# Altium PCB 400150.PcbDoc (part 4 of 4)
Units mm, origin at the board's own origin, x right, y up, seen from the top; angles counter-clockwise.
Board outline 101.6 x 63.5 mm, 4 copper layers (Top Layer, Mid-Layer 1, Mid-Layer 2, Bottom Layer), stack 1.49 mm thick; 241 components, 183 nets, 1094 pads, 1048 vias.
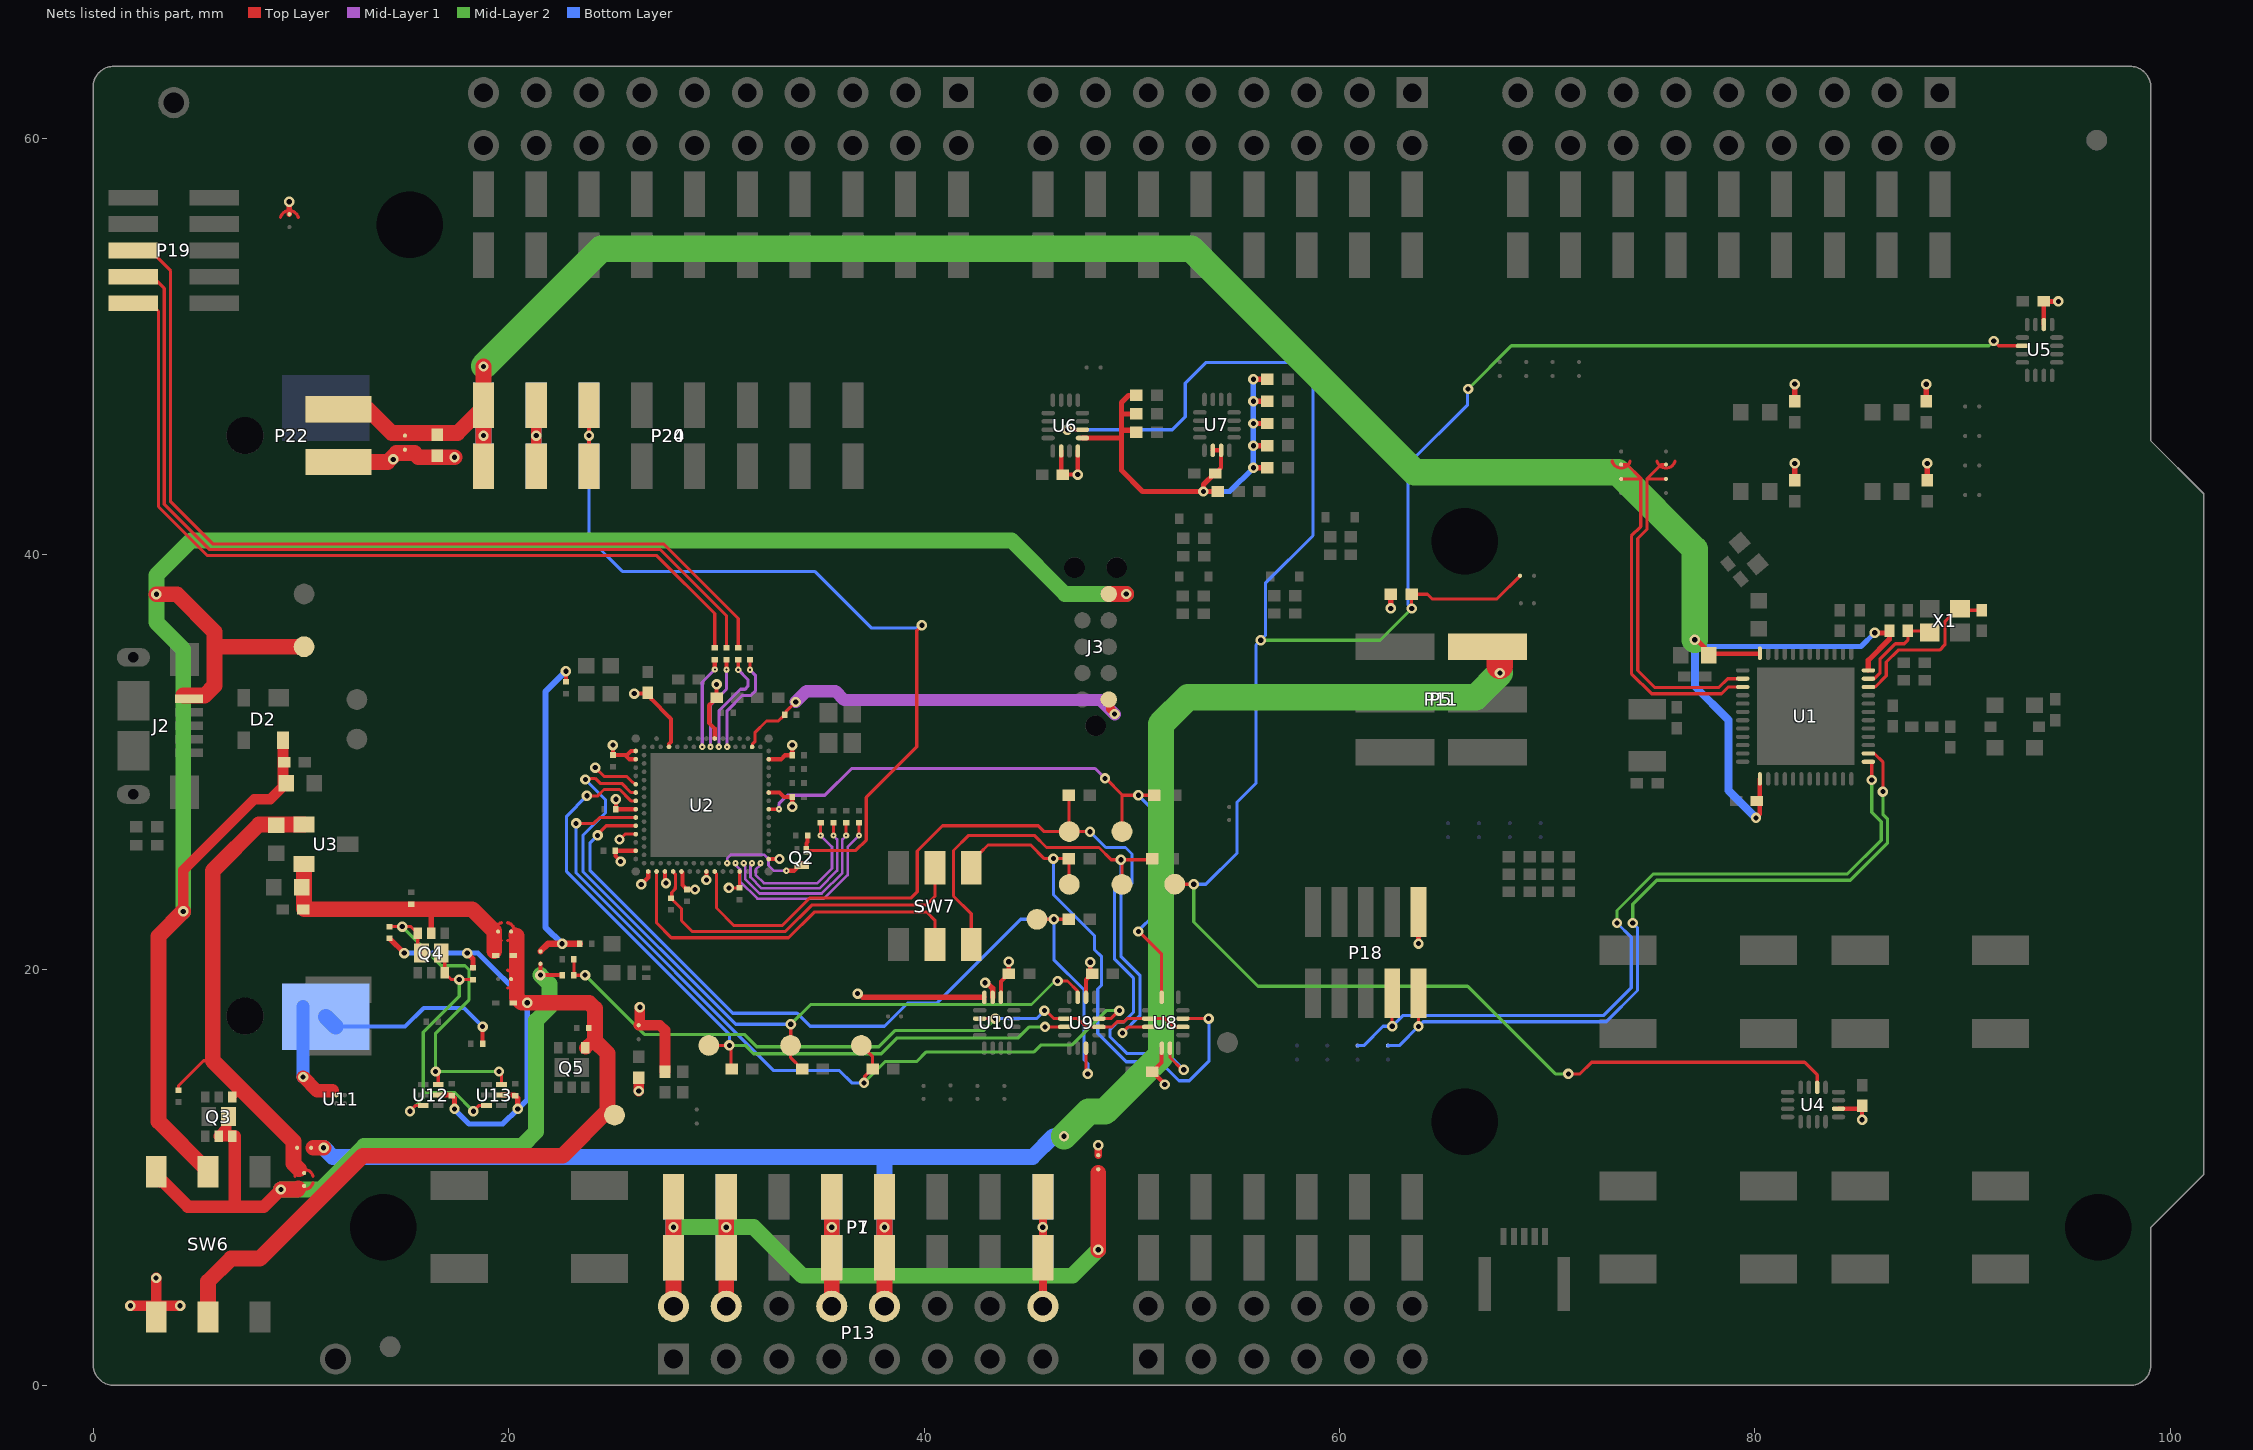
[diagram p6: the nets of this part, all layers, seen from the top]

## Via types
v1: diameter 0.5, hole 0.25, Top Layer to Bottom Layer, tented both sides, 864 vias
v2: diameter 0.3, hole 0.1, Top Layer to Mid-Layer 1, tented both sides, 152 vias
v3: diameter 0.61, hole 0.305, Top Layer to Bottom Layer, tented both sides, 16 vias
v4: diameter 0.66, hole 0.33, Top Layer to Bottom Layer, tented both sides, 16 vias

## Nets (pads, with @x,y where several pads share a name; then routed paths per layer and width w, separated by ;. In a path a pad name is that pad's centre, name@x,y a point inside that pad or via, vN(x,y) a via of type N, cw(c..) or ccw(c..) an arc to the next point about the centre after c; other vN are vias at no path point) (continued)
SHLD_DET: R39.1 SB19.2 TP15.1 U4.2 U5.2 U6.2 | length 132.9
  Top Layer w0.152: v1(46.902,45.997) U6.2@47.628,45.997 ; TP15.1@52.07,24.12 52.076,24.114 v1(52.984,24.114) v1@52.984,24.141 ; v1(63.475,37.389) 63.467,37.397 R39.1@63.467,38.075 64.237,38.075 64.465,37.846 67.574,37.846 SB19.2@68.692,38.964 ; v1(71.018,14.986) 71.577,14.986 72.136,15.545 82.389,15.545 82.995,14.938 U4.2@82.995,14.338 ; v1(91.491,50.267) 91.719,50.038 92.872,50.038 U5.2@92.876,50.035
  Mid-Layer 2 w0.152: v1(52.984,24.114) 52.984,22.302 56.076,19.21 66.168,19.21 70.392,14.986 v1(71.018,14.986) ; v1(56.21,35.865) 61.951,35.865 v1(63.475,37.389) ; v1(66.192,47.955) 68.275,50.038 91.262,50.038 v1(91.491,50.267)
  Bottom Layer w0.152: v1(46.902,45.997) 51.951,45.997 52.576,46.622 52.576,48.237 53.564,49.225 57.693,49.225 58.725,48.193 58.725,40.897 56.433,38.605 56.433,36.087 v1(56.21,35.865) 55.982,35.636 55.982,28.981 55.067,28.067 55.067,25.611 53.571,24.114 v1(52.984,24.114) ; v1(63.475,37.389) 63.297,37.567 63.297,44.331 66.167,47.201 66.167,47.93 v1(66.192,47.955)
SWCLK: P19.4 R13.2 | length 42.9
  Top Layer w0.152: P19.4@1.936,53.355 2.87,53.355 3.429,52.796 3.429,42.41 5.615,40.223 27.314,40.223 30.494,37.043 R13.2@30.494,35.501
SWD0_CLK: R13.1 U2.B18 | length 4.5
  Top Layer w0.2: v2(30.494,34.446) R13.1@30.494,34.931
  Mid-Layer 1 w0.152: v2(29.724,30.73) 29.724,32.739 30.494,33.509 v2(30.494,34.446)
SWD0_IO: R11.1 U2.B16 | length 4.5
  Top Layer w0.2: v2(29.929,34.454) R11.1@29.929,34.931
  Mid-Layer 1 w0.152: v2(29.324,30.73) 29.324,33.85 v2(29.929,34.454)
SWD0_RESET: R15.1 U2.B22 | length 5.1
  Top Layer w0.152: v2(31.622,34.44) R15.1@31.622,34.931
  Mid-Layer 1 w0.152: v2(30.524,30.73) 30.524,32.466 31.265,33.206 31.673,33.206 31.882,33.415 31.882,34.179 v2(31.622,34.44)
SWD0_SWO: R14.1 U2.B20 | length 5.1
  Top Layer w0.152: v2(31.059,34.44) R14.1@31.059,34.931
  Mid-Layer 1 w0.152: v2(30.124,30.73) 30.124,32.457 31.169,33.502 31.388,33.502 31.524,33.638 31.524,33.974 v2(31.059,34.44)
SWD1_CLK: R19.1 U2.AK28 | length 7.8
  Top Layer w0.152: v2(35.637,26.458) R19.1@35.637,27.079
  Mid-Layer 1 w0.125: v2(31.724,25.13) 31.724,25.053 31.649,24.978 31.649,24.458 32.188,23.919 34.968,23.919 35.819,24.77 35.819,26.276 v2(35.637,26.458)
SWD1_IO: R17.1 U2.AK30 | length 7.3
  Top Layer w0.152: v2(35.024,26.458) R17.1@35.024,27.079
  Mid-Layer 1 w0.125: v2@32.062,25.067 v2(32.124,25.13) 32.124,25.053 31.899,24.828 31.899,24.562 32.292,24.169 34.864,24.169 35.569,24.874 35.569,25.913 v2(35.024,26.458)
SWD1_RESET: R21.1 U2.AK24 | length 9.7
  Top Layer w0.152: v2(36.865,26.458) R21.1@36.865,27.079
  Mid-Layer 1 w0.125: v2(30.924,25.13) 30.924,25.053 31.149,24.828 31.149,24.251 31.981,23.419 35.175,23.419 36.319,24.563 36.319,25.913 v2(36.865,26.458)
SWD1_SEL: Q2.3 U2.AK22 | length 4.5
  Top Layer w0.2: v2(33.372,24.765) 33.742,24.765 33.859,24.882 33.859,24.946 33.959,25.046 Q2.3@34.109,25.046
  Mid-Layer 1 w0.125: v2(30.524,25.13) 30.524,25.363 30.689,25.528 32.312,25.528 32.513,25.326 32.513,25.026 32.774,24.765 v2(33.372,24.765)
SWD1_SEL': P20.3 P24.3 Q2.1 R22.2 | length 42.5
  Top Layer w0.152: Q2.1@34.334,25.746 36.722,25.746 37.216,26.24 37.216,28.299 39.647,30.73 39.647,36.32 39.899,36.571 v1(39.899,36.583)
  Top Layer w0.2: P20.3@23.876,44.245 v1(23.876,45.71) P20.3@23.876,47.175 ; Q2.1@34.334,25.746 34.34,25.751 34.34,26.089 34.394,26.143 R22.2@34.394,26.468
  Bottom Layer w0.152: P24.3@23.876,47.175 v1(23.876,45.71) P24.3@23.876,44.245 23.876,40.782 25.48,39.178 34.736,39.178 37.456,36.459 39.68,36.459 39.804,36.583 v1(39.899,36.583)
SWD1_SWO: R20.1 U2.AK26 | length 8.7
  Top Layer w0.152: v2(36.251,26.458) R20.1@36.251,27.079
  Mid-Layer 1 w0.125: v2(31.324,25.13) 31.324,25.053 31.399,24.978 31.399,24.355 32.085,23.669 35.072,23.669 36.069,24.667 36.069,26.276 v2(36.251,26.458)
SWD3_CLK: R52.2 TP10.1 U2.R1 U9.3 | length 37.7
  Top Layer w0.152: v1(23.772,28.372) 24.293,28.372 24.597,28.676 25.345,28.676 25.892,28.13 U2.R1@26.124,28.13 ; TP10.1@29.388,16.358 TP10.1@29.642,16.358 v1(30.632,16.358) 30.713,16.277 30.713,15.185 R52.2@30.742,15.215 ; v1(45.825,17.25) U9.3@46.771,17.25
  Mid-Layer 2 w0.152: v1(30.632,16.358) 31.394,16.358 31.794,15.958 37.951,15.958 38.715,16.722 44.542,16.722 45.07,17.25 v1(45.825,17.25)
  Bottom Layer w0.152: v1(23.772,28.372) 22.797,27.397 22.797,24.725 30.632,16.89 v1(30.632,16.358)
SWD3_IO: R59.2 TP9.1 U2.N1 U9.15 | length 38.9
  Top Layer w0.152: v1(23.698,29.159) 23.751,29.211 24.169,29.211 24.409,28.971 25.447,28.971 25.888,28.53 U2.N1@26.124,28.53 ; v1@33.783,17.374 v1(33.588,17.374) 33.588,16.366 TP9.1@33.579,16.358 33.579,15.774 R59.2@34.129,15.223 ; v1(46.431,19.456) 46.908,19.456 47.396,18.969 U9.15@47.396,18.675
  Mid-Layer 2 w0.152: v1(33.588,17.374) 34.543,18.329 45.176,18.329 46.304,19.456 v1(46.431,19.456)
  Bottom Layer w0.152: v1(23.698,29.159) 24.661,28.196 24.661,27.545 23.578,26.462 23.578,24.729 30.933,17.374 v1(33.588,17.374) ; v1@46.355,19.456 v1(46.431,19.456)
SWD3_RESET: R53.2 TP20.1 U2.AA1 U9.7 | length 42.5
  Top Layer w0.152: v1(24.287,26.468) 24.287,26.519 24.698,26.93 U2.AA1@26.124,26.93 ; TP20.1@45.441,22.428 v1(46.253,22.428) R53.2@46.973,22.428 ; U9.7@47.796,16.225 47.796,14.928 47.854,14.986 v1(47.879,14.986)
  Bottom Layer w0.152: v1(24.287,26.468) 23.915,26.097 23.915,24.784 30.794,17.905 33.89,17.905 34.517,17.278 38.096,17.278 39.205,18.387 40.613,18.387 44.654,22.428 v1(46.253,22.428) 46.253,20.48 47.701,19.032 47.701,15.664 47.879,15.486 v1(47.879,14.986)
SWD3_SWO: R54.2 TP21.1 U2.W1 U9.11 | length 40.5
  Top Layer w0.152: v1(23.255,27.044) 24.096,27.044 24.382,27.33 U2.W1@26.124,27.33 ; TP21.1@36.982,16.358 37.524,15.816 R54.2@37.524,15.223 37.499,15.223 37.146,14.871 37.146,14.591 v1(37.109,14.554) ; U9.11@48.421,17.65 48.993,17.65 49.403,18.059 v1(49.403,18.034)
  Mid-Layer 2 w0.152: v1(37.109,14.554) 38.137,15.582 39.647,15.582 40.115,16.049 45.298,16.049 45.62,16.371 47.102,16.371 48.765,18.034 v1(49.403,18.034)
  Bottom Layer w0.152: v1(23.255,27.044) 23.255,24.66 32.77,15.144 35.933,15.144 36.523,14.554 v1(37.109,14.554)
SWDCLK: P18.4 SB21.2 U1.25 | length 38
  Top Layer w0.152: v1(62.535,17.278) P18.4@62.535,18.872 ; v1(85.623,29.134) U1.25@85.623,30.023
  Mid-Layer 2 w0.152: v1(73.355,22.25) 73.355,22.852 75.116,24.613 84.456,24.613 86.081,26.237 86.081,27.127 85.623,27.584 v1(85.623,29.134)
  Bottom Layer w0.152: SB21.2@60.872,16.35 61.168,16.35 62.096,17.278 v1(62.535,17.278) 63.062,17.805 72.72,17.805 74.041,19.126 74.041,21.565 v1(73.355,22.25)
SWDIO: P18.2 SB20.2 U1.26 | length 37.3
  Top Layer w0.152: v1(63.805,17.272) P18.2@63.805,18.872 ; U1.26@85.46,30.411 85.75,30.411 86.157,30.004 v1(86.157,28.576)
  Mid-Layer 2 w0.152: v1(74.117,22.25) 74.117,23.157 75.268,24.308 84.583,24.308 86.385,26.11 86.385,27.253 86.157,27.482 v1(86.157,28.576)
  Bottom Layer w0.152: SB20.2@62.331,16.35 62.883,16.35 v1(63.805,17.272) 64.033,17.501 72.846,17.501 74.346,19 74.346,22.022 v1(74.117,22.25)
SWIO: P19.2 R11.2 | length 41.3
  Top Layer w0.152: P19.2@1.936,52.085 2.756,52.085 3.06,51.781 3.152,51.69 3.152,42.295 5.509,39.937 27.142,39.937 29.929,37.15 R11.2@29.929,35.501
SWO: P19.6 R14.2 | length 44.4
  Top Layer w0.152: P19.6@1.936,54.625 2.756,54.625 3.06,54.321 3.06,54.313 3.735,53.639 3.735,42.525 5.758,40.502 27.462,40.502 31.059,36.905 R14.2@31.059,35.501
USB_DET: R44.2 R45.1 U8.2 U8.10 U9.2 U9.10 U10.2 | length 33.7
  Top Layer w0.152: R45.1@23.148,20.514 23.148,19.732 23.679,19.732 v1(23.688,19.741) ; U10.2@42.679,17.65 v1(43.431,17.65) ; v1(45.796,18.034) 45.872,18.034 46.257,17.65 U9.2@46.771,17.65 47.396,17.65 47.796,17.25 U9.10@48.421,17.25 49.051,17.25 49.301,17.501 49.624,17.501 49.773,17.65 U8.10@50.813,17.65 51.616,17.65 52.016,17.25 U8.2@52.463,17.25
  Mid-Layer 2 w0.152: v1(23.688,19.741) 26.538,16.891 31.344,16.891 31.941,16.293 37.821,16.293 38.597,17.069 42.85,17.069 v1(43.431,17.65)
  Bottom Layer w0.152: v1(43.431,17.65) 45.412,17.65 v1(45.796,18.034)
V5V: P1.5 P5.2 P7.5 P11.2 P13.10 SB34.1 | length 89.2
  Top Layer w0.762: 10.617,11.43 v1(11.1,11.43) ; P13.10@38.1,3.8 P1.5@38.1,6.145 v1(38.1,7.61) P1.5@38.1,9.075 ; P5.2@67.12,35.55 P5.2@67.722,34.947
  Top Layer w1.27: 67.722,34.628 P5.2@67.722,34.947
  Mid-Layer 2 w1.27: v1(46.736,11.984) 47.928,13.176 48.711,13.176 49.505,13.97 51.41,15.875 51.41,31.826 52.705,33.122 66.558,33.122 v1(67.722,34.285)
  Bottom Layer w0.762: v1(11.1,11.43) 11.542,10.988 38.1,10.988 ; P7.5@38.1,6.145 v1(38.1,7.61) P7.5@38.1,9.405 ; P7.5@38.1,9.075 38.1,10.988 ; v1(46.736,11.984) 46.22,11.984 45.225,10.988 38.1,10.988 ; v1(67.722,34.285) P11.2@67.722,35.55
VBAT: Bat1.1 R49.1 U11.A1 | length 14.4
  Top Layer w0.2: R49.1@18.751,16.434 v1(18.751,17.263)
  Top Layer w0.635: v1(10.111,14.839) 10.777,14.173 11.532,14.173
  Bottom Layer w0.2: Bat1.1@11.681,17.263 15.023,17.263 15.921,18.161 17.853,18.161 v1(18.751,17.263)
  Bottom Layer w0.635: v1(10.111,14.839) Bat1.1@10.111,18.217
  Bottom Layer w0.762: Bat1.1@11.203,17.741 Bat1.1@11.681,17.263
VBUS: C20.2 C21.2 D2.4 J2.1 J3.5 SW6.5 TP3.1 | length 103.2
  Top Layer w0.508: v1(4.343,22.809) 4.343,24.79 7.762,28.209 8.535,28.209 C20.2@9.297,28.971 ; C20.2@9.144,28.895 D2.4@9.144,31.045
  Top Layer w0.762: v1(3.048,38.075) 4.039,38.075 5.842,36.271 5.842,33.674 5.366,33.198 J2.1@4.343,33.198 ; v1(4.343,22.809) 3.15,21.615 3.15,12.7 5.537,10.312 SW6.5@5.537,10.03 ; 5.878,35.55 TP3.1@10.16,35.55 ; J3.5@48.895,38.09 v1(49.733,38.09)
  Mid-Layer 2 w0.762: v1(4.343,22.809) 4.343,35.43 3.048,36.726 v1(3.048,38.075) 3.048,38.989 4.727,40.668 44.209,40.668 46.787,38.09 v1(49.733,38.09)
VBUS': NT1.1 Q3.2 Q3.3 R44.1 SB33.2 SW6.6 | length 36.5
  Top Layer w0.2: NT1.1@21.536,20.286 v1(21.536,19.741) R44.1@22.578,19.739
  Top Layer w0.508: Q3.3@6.621,12.788 6.52,12.889 Q3.3@6.52,12.929 6.419,12.828 6.419,12.358 Q3.2@6.045,11.984 Q3.3@6.695,11.984
  Top Layer w0.6: SW6.6@3.037,10.28 3.037,10.03 3.237,9.83 3.334,9.83 4.564,8.6 6.831,8.6 ; Q3.3@6.695,11.984 6.831,11.984 6.831,8.6 ; v1(9.042,9.423) 8.219,8.6 6.831,8.6
  Top Layer w0.762: v1(9.042,9.423) 9.729,9.423 9.837,9.423 9.877,9.463
  Mid-Layer 2 w0.762: v1(9.042,9.423) 10.962,9.423 13.05,11.511 20.634,11.511 21.322,12.2 21.322,17.553 21.965,18.195 21.965,19.312 v1(21.536,19.741)
VBUS_IMCU: NT1.2 R9.1 R16.2 | length 16.4
  Top Layer w0.2: R9.1@22.761,33.863 v1(22.761,34.372)
  Top Layer w0.3: NT1.2@21.536,20.886 21.899,21.25 v1(22.578,21.25) R16.2@23.433,21.25
  Bottom Layer w0.3: v1(22.578,21.25) 21.778,22.05 21.778,33.389 v1(22.761,34.372)
VCOM0_CTS: R10.2 SW7.5 U2.AL9 | length 17.2
  Top Layer w0.152: U2.AL9@27.924,24.73 27.924,24.71 28.034,24.601 28.034,23.982 28.029,23.977 28.029,23.89 27.856,23.717 27.856,23.486 R10.2@27.82,23.45 27.835,23.45 27.893,23.391 27.893,23.376 28.324,22.945 28.324,22.364 28.845,21.844 33.321,21.844 34.59,23.114 40.111,23.114 40.525,23.527 SW7.5@40.525,24.913
VCOM0_CTS_FC: R18.2 SW7.6 TP5.1 U8.3 | length 26.3
  Top Layer w0.152: SW7.6@42.275,24.913 42.275,25.213 42.698,25.637 42.712,25.637 43.08,26.005 45.14,26.005 45.796,25.349 v1(46.228,25.349) 46.82,25.349 46.896,25.273 R18.2@46.973,25.349 46.973,24.127 TP5.1@46.99,24.11 ; U8.3@52.463,17.65 v1(53.699,17.65)
  Bottom Layer w0.152: v1(46.228,25.349) 46.228,23.622 48.209,21.641 48.209,20.965 48.55,20.625 48.55,19.264 48.362,19.075 48.362,16.942 49.733,15.57 51.359,15.57 52.273,14.656 52.766,14.656 53.721,15.611 53.721,17.628 v1(53.699,17.65)
VCOM0_RTS: SW7.2 U2.AL5 | length 18
  Top Layer w0.152: U2.AL5@27.124,24.73 27.124,22.255 27.838,21.542 33.479,21.542 34.71,22.772 40.141,22.772 40.525,22.389 SW7.2@40.525,21.213
VCOM0_RTS_FC: R7.2 SW7.3 TP7.1 U8.15 | length 31.6
  Top Layer w0.152: SW7.3@42.275,21.213 42.275,22.693 41.421,23.547 41.421,25.742 42.147,26.468 45.312,26.468 45.898,25.883 48.42,25.883 49.005,25.298 49.581,25.298 50.935,25.298 R7.2@50.986,25.349 ; TP7.1@49.53,24.11 v1@49.53,25.248 ; U8.15@51.838,16.225 51.838,15.777 52.426,15.189 v1(52.502,15.189)
  Bottom Layer w0.152: v1(49.479,25.298) 49.479,24.181 49.174,23.876 49.174,20.498 50.089,19.583 50.089,17.965 49.624,17.501 49.334,17.501 48.946,17.112 48.946,16.789 49.759,15.977 51.714,15.977 v1(52.502,15.189)
VCOM0_RxD: R58.2 TP6.1 U2.AL19 U8.11 | length 38.6
  Top Layer w0.152: U2.AL19@29.924,24.73 29.924,24.71 30.01,24.624 30.01,22.97 30.855,22.126 33.161,22.126 34.485,23.45 39.37,23.45 39.675,23.755 39.675,25.715 40.89,26.93 45.5,26.93 45.78,26.65 TP6.1@46.99,26.65 ; R58.2@46.973,28.397 46.973,26.667 TP6.1@46.99,26.65 ; v1(47.991,26.645) 47.986,26.65 TP6.1@46.99,26.65 ; v1(49.555,16.954) 49.555,16.967 49.838,17.25 U8.11@50.813,17.25
  Bottom Layer w0.152: v1(47.991,26.645) 48.753,25.883 49.7,25.883 50.013,25.57 50.013,24.155 49.479,23.622 49.479,20.65 50.394,19.736 50.394,17.78 49.555,16.942 v1(49.555,16.954)
VCOM0_TxD: R56.2 TP8.1 U2.U31 U8.7 | length 32.7
  Top Layer w0.152: U2.U31@32.524,27.73 v2(33.014,27.73) ; v1(48.712,29.211) 48.741,29.211 49.555,28.397 ; TP8.1@49.53,26.65 49.53,28.372 49.555,28.397 ; v1@50.317,21.869 51.438,20.749 U8.7@51.438,18.675 ; R56.2@51.087,28.397 v1(50.317,28.397) 49.555,28.397
  Mid-Layer 1 w0.152: v2(33.014,27.73) 33.014,27.986 33.426,28.397 35.224,28.397 36.513,29.686 48.237,29.686 v1(48.712,29.211)
  Bottom Layer w0.152: v1@50.317,21.869 51.105,22.657 51.105,27.61 50.368,28.346 50.368,28.397 v1(50.317,28.397)
  other v1: 50.317,21.844
VDD: C14.2 C44.2 C45.2 C46.2 C54.2 C55.2 P18.1 P20.2 P22.2 P24.2 R1.2 R2.2 R3.2 R4.2 R6.1 R39.2 R57.2 SB9.2 SB32.1 SB35.2 SW6.3 U4.14 U5.14 U6.14 U6.16 U8.14 U9.14 U10.14 U10.15 | length 36.2
  Top Layer w0.203: U10.14@43.704,18.675 43.704,19.439 C55.2@44.077,19.812 v1(44.077,20.388) ; C46.2@46.526,43.951 46.638,43.839 C46.2@46.642,43.835 ; C46.2@46.603,43.917 U6.14@46.603,44.972 ; C46.2@46.685,43.835 v1(47.396,43.835) ; v1@47.403,43.835 U6.16@47.403,44.972 ; U9.14@47.796,18.675 47.796,19.518 C54.2@48.09,19.812 48.006,19.896 v1(48.006,20.359) ; U8.14@51.438,16.225 51.438,15.531 C14.2@50.995,15.088 51.587,14.495 v1(51.587,14.478) ; U4.14@84.02,13.313 85.153,13.313 C44.2@85.158,13.318 ; v1(85.158,12.776) C44.2@85.158,13.318 ; C44.2@85.158,13.445 C44.2@85.158,13.318 ; C45.2@93.896,52.172 93.901,52.167 U5.14@93.901,51.06
  Top Layer w0.254: SB32.1@9.449,56.37 v1(9.449,56.972) ; v1(42.941,19.375) 42.988,19.328 43.079,19.328 43.304,19.103 U10.15@43.304,18.675 ; v1(62.467,37.397) R39.2@62.467,38.075 ; v1(63.805,21.26) P18.1@63.805,22.772 ; R3.2@81.915,43.553 v1(81.915,44.374) ; R1.2@81.915,47.363 v1(81.915,48.192) ; R2.2@88.24,47.363 v1(88.24,48.184) ; R4.2@88.291,43.553 v1(88.291,44.374) ; C45.2@93.896,52.172 v1(94.607,52.172)
  Top Layer w0.381: SB35.2@48.387,11.072 v1(48.387,11.557)
  Top Layer w0.508: v1(1.796,3.827) 2.99,3.827 SW6.3@3.037,3.78 ; v1(3.037,5.163) 3.037,3.827 v1(4.191,3.827) ; P20.2@21.336,44.245 v1(21.336,45.71) P20.2@21.336,47.175 ; v1(26.266,14.165) R57.2@26.266,14.806
  Top Layer w0.762: P22.2@11.811,44.44 14.173,44.44 14.605,44.872 15.469,44.872 15.672,44.668 v1(17.399,44.668)
  Bottom Layer w0.508: P24.2@21.336,44.245 v1(21.336,45.71) P24.2@21.336,47.175
  other v1: 14.453,44.567
VDD_IMCU: C22.1 C23.1 C24.1 C25.1 C26.1 C29.1 C30.1 C31.1 C32.1 C33.2 J3.1 R5.2 SB29.2 U2.A19 U2.AC1 U2.AG1 U2.AJ31 U2.AL3 U2.AL7 U2.AL11 U2.AL17 U2.AL25 U2.B8 U2.B28 U2.C1 U2.E1 U2.E31 U2.L1 U2.N31 U2.U1 U10.16 | length 54.1
  Top Layer w0.152: v1(24.176,29.73) 24.602,29.304 25.699,29.304 25.986,29.016 26.018,29.016 26.104,28.93 U2.L1@26.124,28.93 ; v1(25.342,26.271) 25.346,26.271 25.605,26.53 U2.AC1@26.124,26.53 ; v1(30.608,23.938) C29.1@31.124,23.938 U2.AL25@31.124,24.73 ; U2.B28@31.724,30.73 31.738,30.744 31.738,30.852 31.861,30.975 31.861,31.414 32.42,31.973 32.988,31.973 33.217,32.202 33.232,32.202 33.291,32.261 C32.1@33.291,32.276 33.35,32.335 33.35,32.416 v1(33.824,32.89)
  Top Layer w0.2: C22.1@25.025,30.335 25.62,30.335 ; C22.1@25.025,30.337 v1(25.025,30.814) v1@25.025,30.84 ; v1(25.168,28.206) C23.1@25.168,27.73 U2.U1@26.124,27.73 ; v1(25.396,25.213) 25.396,25.226 25.142,25.48 C24.1@25.142,25.73 U2.AG1@26.124,25.73 ; v1(26.051,33.293) 26.054,33.296 26.671,33.296 C33.2@26.709,33.333 26.859,33.183 26.859,33.048 27.779,32.128 27.779,32.116 27.82,32.075 27.82,30.956 27.729,30.865 27.729,30.735 U2.B8@27.724,30.73 ; U2.E1@26.124,30.13 25.825,30.13 25.662,30.293 ; U2.C1@26.124,30.53 25.899,30.53 25.662,30.293 ; v1(26.393,24.11) 26.724,24.441 U2.AL3@26.724,24.73 ; U2.AL7@27.524,24.73 27.524,24.227 v1(27.583,24.169) ; U2.AL11@28.324,24.73 28.324,24.723 28.367,24.681 28.367,24.074 28.578,23.863 C25.1@28.593,23.863 v1(28.977,23.863) ; v1(29.524,24.323) U2.AL17@29.524,24.73 ; U2.A19@29.924,31.13 29.924,31.607 29.659,31.872 29.659,32.732 29.818,32.892 29.818,32.942 29.968,33.092 C26.1@30.018,33.092 v1(30.018,33.738) ; U2.AJ31@32.524,25.33 v1(33.043,25.33) ; U2.N31@32.524,28.53 33.043,28.53 33.252,28.321 C30.1@33.655,28.321 v1(33.655,27.838) ; U2.E31@32.524,30.13 33.12,30.13 33.316,30.326 C31.1@33.655,30.326 v1(33.655,30.814) ; 25.62,30.335 25.662,30.293 ; 25.62,30.335 25.662,30.293
  Top Layer w0.254: v1(36.802,18.852) 36.869,18.852 37.046,18.675 U10.16@42.875,18.675
  Top Layer w0.4: J3.1@48.895,33.01 48.969,32.936 48.969,32.543 49.174,32.337 v1(49.174,32.31)
  Top Layer w0.508: v1(26.326,18.196) 26.326,17.39 SB29.2@26.266,17.33 27.287,17.33 27.532,17.085 R5.2@27.532,15.101
  Mid-Layer 1 w0.6: v1(33.824,32.89) 34.345,33.411 35.73,33.411 36.155,32.985 48.499,32.985 v1(49.174,32.31)
VDD_NRF: C5.1 C8.1 C9.1 P20.1 P22.1 P24.1 R6.2 SB9.1 U1.13 U1.36 U1.48 | length 114
  Top Layer w0.229: v1(77.105,35.888) 77.188,35.888 77.78,35.296 77.865,35.211 U1.48@80.225,35.211 ; v1(80.047,27.309) 80.235,27.497 U1.13@80.235,29.186